# Altium PCB HV_DAC_8ch-DIOT.PCBDOC (part 7 of 11) (continued)
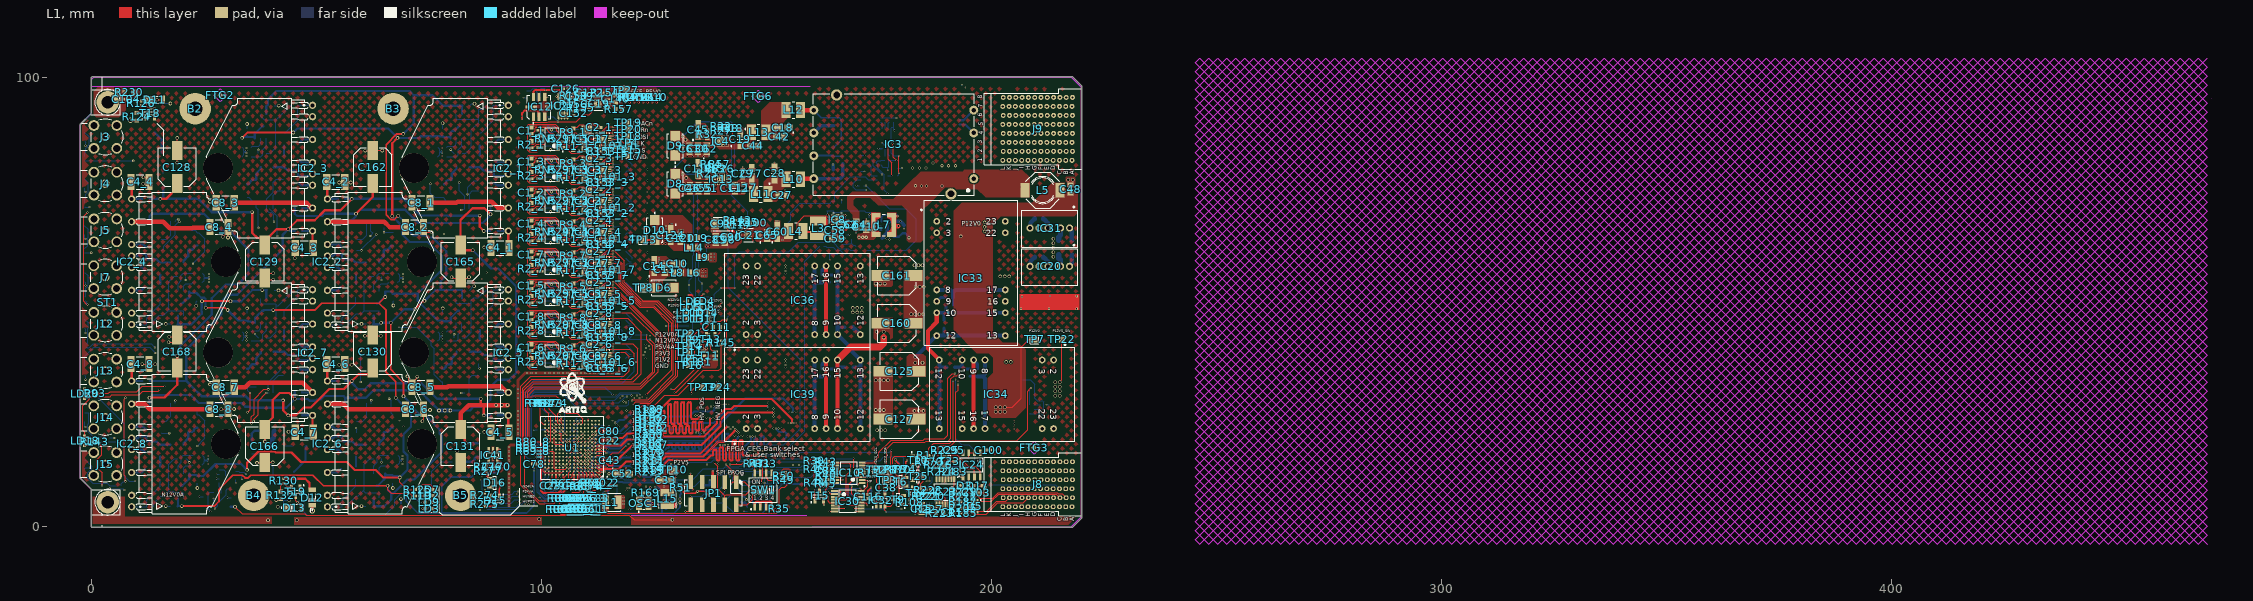
[diagram p0: L1 view]
## Nets (pads, with @x,y where several pads share a name; then routed paths per layer and width w, separated by ;. In a path a pad name is that pad's centre, name@x,y a point inside that pad or via, vN(x,y) a via of type N, cw(c..) or ccw(c..) an arc to the next point about the centre after c; other vN are vias at no path point) (continued)
  L8 w0.203: C142_6.1@110.667,35.361 111.019,35.713 111.062,35.713 111.205,35.857 111.205,36.515 111.408,36.718 v1(111.915,36.718) ; C142_8.1@110.667,42.248 111.019,42.6 111.062,42.6 111.205,42.743 111.205,43.402 111.408,43.605 v1(111.915,43.605) ; C142_5.1@110.667,49.134 111.019,49.486 111.062,49.486 111.205,49.63 111.205,50.288 111.408,50.492 v1(111.915,50.492) ; C142_7.1@110.667,56.021 111.019,56.373 111.062,56.373 111.205,56.516 111.205,57.175 111.408,57.378 v1(111.915,57.378) ; C142_4.1@110.667,62.908 111.019,63.26 111.062,63.26 111.205,63.403 111.205,64.062 111.408,64.265 v1(111.915,64.265) ; C142_2.1@110.667,69.794 111.019,70.146 111.062,70.146 111.205,70.289 111.205,70.948 111.408,71.151 v1(111.915,71.151) ; C142_3.1@110.667,76.681 111.019,77.033 111.062,77.033 111.205,77.176 111.205,77.835 111.408,78.038 v1(111.915,78.038) ; C142_1.1@110.667,83.567 111.019,83.919 111.062,83.919 111.205,84.063 111.205,84.721 111.408,84.925 v1(111.915,84.925) ; v5@113.029,38.547 113.063,38.581 113.063,39.033 114.32,40.289 C99_6.2@114.595,40.289 ; v5@113.029,45.434 113.063,45.468 113.063,45.919 114.32,47.176 C99_8.2@114.595,47.176 ; v5@113.029,52.32 113.063,52.355 113.063,52.806 114.32,54.063 C99_5.2@114.595,54.063 ; v5@113.029,59.207 113.063,59.241 113.063,59.692 114.32,60.949 C99_7.2@114.595,60.949 ; v5@113.029,66.094 113.063,66.128 113.063,66.579 114.32,67.836 C99_4.2@114.595,67.836 ; v5@113.029,72.98 113.063,73.014 113.063,73.466 114.32,74.722 C99_2.2@114.595,74.722 ; v5@113.029,79.867 113.063,79.901 113.063,80.352 114.32,81.609 C99_3.2@114.595,81.609 ; v5@113.029,86.753 113.063,86.788 113.063,87.239 114.32,88.495 C99_1.2@114.595,88.495
  L8 w0.254: T17.2@16.28,94.15 v2(17.5,94.15) ; v2(16.48,4.65) 17.399,4.65 C5_8.2@17.458,4.591 ; v2(16.48,45.15) 17.399,45.15 C5_4.2@17.458,45.091 ; R113_8.1@20.925,15.17 20.975,15.17 21.675,14.47 v3(21.675,14.37) ; v3(20.925,54.9) R113_4.1@20.925,55.67 ; v2(23.255,49.195) 23.255,50.049 C7_4.2@23.465,50.26 ; C7_8.2@23.465,9.76 23.5,9.725 v2(23.5,8.66) ; T2.2@27.1,5.8 v1(27.1,6.4) ; v1(30.25,6.55) T16.2@31.05,6.55 ; v1(32.05,9.85) T5.2@32.05,10.45 ; C7_7.2@34.535,47.486 v2(34.535,48.586) ; C7_3.2@34.535,88.486 v2(34.535,89.576) ; v3(36.325,42.876) 36.325,42.776 37.025,42.076 R113_7.1@37.075,42.076 ; R113_3.1@37.075,83.076 v3(37.075,83.846) ; C5_7.2@40.542,52.655 40.601,52.596 v2(41.52,52.596) ; C5_3.2@40.542,93.655 40.558,93.671 v2(41.6,93.671) ; v2(41.35,4.5) 41.377,4.526 42.283,4.526 42.72,4.963 T20.2@42.72,5.85 42.81,5.94 v2(43.912,5.94) ; v2(59.98,4.65) 60.899,4.65 C5_6.2@60.958,4.591 ; v2(59.98,45.15) 60.899,45.15 C5_2.2@60.958,45.091 ; v3(64.425,14.397) R113_6.1@64.425,15.17 ; v3(64.425,54.9) R113_2.1@64.425,55.67 ; v2(66.965,8.66) C7_6.2@66.965,9.76 ; C7_2.2@66.965,50.26 67.076,50.149 v2(67.076,49.229) ; v2(78,89.75) 78,88.521 C7_1.2@78.035,88.486 ; C7_5.2@78.035,47.486 v2(78.035,48.586) ; v3(79.825,83.876) 79.825,83.776 80.525,83.076 R113_1.1@80.575,83.076 ; R113_5.1@80.575,42.076 v3(80.575,42.846) ; C5_5.2@84.042,52.655 84.042,52.68 84.858,53.496 v2(85,53.496) ; C5_1.2@84.042,93.655 84.44,94.053 85.061,94.053 v2(85.1,94.092) ; v1(96,95.4) C94.1@96.7,95.4 ; v1(100.7,24.4) 100.7,24 100.75,23.95 C115.1@100.75,23.4 ; v3(103.275,37.049) 103.962,37.049 104.901,37.988 R67_6.1@104.901,38.039 ; v3(103.275,43.935) 103.962,43.935 104.901,44.874 R67_8.1@104.901,44.926 ; v3(103.275,50.822) 103.962,50.822 104.901,51.761 R67_5.1@104.901,51.812 ; v3(103.275,57.708) 103.962,57.708 104.901,58.647 R67_7.1@104.901,58.699 ; v3(103.275,64.595) 103.962,64.595 104.901,65.534 R67_4.1@104.901,65.586 ; v3(103.275,71.482) 103.962,71.482 104.901,72.421 R67_2.1@104.901,72.472 ; v3(103.275,78.368) 103.962,78.368 104.901,79.307 R67_3.1@104.901,79.359 ; v3(103.275,85.255) 103.962,85.255 104.901,86.194 R67_1.1@104.901,86.245 ; C54.1@103.3,24.55 103.483,24.367 103.747,24.367 103.991,24.124 v1(104.03,24.124) ; v1(105.561,40.605) 105.601,40.605 105.662,40.544 106.232,40.544 C98_6.2@106.73,40.046 ; v1(105.561,47.491) 105.601,47.491 105.662,47.43 106.232,47.43 C98_8.2@106.73,46.932 ; v1(105.561,54.378) 105.601,54.378 105.662,54.317 106.232,54.317 C98_5.2@106.73,53.819 ; v1(105.561,61.264) 105.601,61.264 105.662,61.204 106.232,61.204 C98_7.2@106.73,60.706 ; v1(105.561,68.151) 105.601,68.151 105.662,68.09 106.232,68.09 C98_4.2@106.73,67.592 ; v1(105.561,75.038) 105.601,75.038 105.662,74.977 106.232,74.977 C98_2.2@106.73,74.479 ; v1(105.561,81.924) 105.601,81.924 105.662,81.863 106.232,81.863 C98_3.2@106.73,81.365 ; v1(105.561,88.811) 105.601,88.811 105.662,88.75 106.232,88.75 C98_1.2@106.73,88.252 ; v1(106.155,37.158) 106.155,37.197 106.232,37.274 106.232,38.177 C106_6.1@106.349,38.293 ; v1(106.155,44.044) 106.155,44.084 106.232,44.161 106.232,45.064 C106_8.1@106.349,45.18 ; v1(106.155,50.931) 106.155,50.97 106.232,51.047 106.232,51.95 C106_5.1@106.349,52.066 ; v1(106.155,57.817) 106.155,57.857 106.232,57.934 106.232,58.837 C106_7.1@106.349,58.953 ; v1(106.155,64.704) 106.155,64.743 106.232,64.821 106.232,65.723 C106_4.1@106.349,65.84 ; v1(106.155,71.591) 106.155,71.63 106.232,71.707 106.232,72.61 C106_2.1@106.349,72.726 ; v1(106.155,78.477) 106.155,78.517 106.232,78.594 106.232,79.497 C106_3.1@106.349,79.613 ; v1(106.155,85.364) 106.155,85.403 106.232,85.48 106.232,86.383 C106_1.1@106.349,86.499 ; C97_6.1@106.247,35.982 106.272,35.956 C92_6.1@107.619,35.956 107.955,36.292 108.034,36.292 108.183,36.441 108.183,36.701 108.302,36.821 108.302,37.279 v1@108.329,37.306 ; C97_8.1@106.247,42.868 106.272,42.843 C92_8.1@107.619,42.843 107.955,43.179 108.034,43.179 108.183,43.328 108.183,43.588 108.302,43.707 108.302,44.165 v1@108.329,44.192 ; C97_5.1@106.247,49.755 106.272,49.73 C92_5.1@107.619,49.73 107.955,50.066 108.034,50.066 108.183,50.214 108.183,50.475 108.302,50.594 108.302,51.052 v1@108.329,51.079 ; C97_7.1@106.247,56.642 106.272,56.616 C92_7.1@107.619,56.616 107.955,56.952 108.034,56.952 108.183,57.101 108.183,57.361 108.302,57.48 108.302,57.939 v1@108.329,57.965 ; C97_4.1@106.247,63.528 106.272,63.503 C92_4.1@107.619,63.503 107.955,63.839 108.034,63.839 108.183,63.988 108.183,64.248 108.302,64.367 108.302,64.825 v1@108.329,64.852 ; C97_2.1@106.247,70.415 106.272,70.389 C92_2.1@107.619,70.389 107.955,70.725 108.034,70.725 108.183,70.874 108.183,71.134 108.302,71.254 108.302,71.712 v1@108.329,71.739 ; C97_3.1@106.247,77.301 106.272,77.276 C92_3.1@107.619,77.276 107.955,77.612 108.034,77.612 108.183,77.761 108.183,78.021 108.302,78.14 108.302,78.598 v1@108.329,78.625 ; C97_1.1@106.247,84.188 106.272,84.163 C92_1.1@107.619,84.163 107.955,84.499 108.034,84.499 108.183,84.647 108.183,84.908 108.302,85.027 108.302,85.485 v1@108.329,85.512 ; C98_6.2@107.415,40.503 107.415,40.347 107.503,40.26 C154_6.1@108.355,40.26 ; C98_8.2@107.415,47.39 107.415,47.234 107.503,47.147 C154_8.1@108.355,47.147 ; C98_5.2@107.415,54.276 107.415,54.12 107.503,54.033 C154_5.1@108.355,54.033 ; C98_7.2@107.415,61.163 107.415,61.007 107.503,60.92 C154_7.1@108.355,60.92 ; C98_4.2@107.415,68.049 107.415,67.894 107.503,67.806 C154_4.1@108.355,67.806 ; C98_2.2@107.415,74.936 107.415,74.78 107.503,74.693 C154_2.1@108.355,74.693 ; C98_3.2@107.415,81.823 107.415,81.667 107.503,81.58 C154_3.1@108.355,81.58 ; C98_1.2@107.415,88.709 107.415,88.553 107.503,88.466 C154_1.1@108.355,88.466 ; C92_6.1@107.593,35.906 C92_6.1@107.631,35.944 ; C92_8.1@107.593,42.792 C92_8.1@107.631,42.83 ; C92_5.1@107.593,49.679 C92_5.1@107.631,49.717 ; C92_7.1@107.593,56.565 C92_7.1@107.631,56.604 ; C92_4.1@107.593,63.452 C92_4.1@107.631,63.49 ; C92_2.1@107.593,70.339 C92_2.1@107.631,70.377 ; C92_3.1@107.593,77.225 C92_3.1@107.631,77.263 ; C92_1.1@107.593,84.112 C92_1.1@107.631,84.15 ; v1(110.184,38.852) 110.212,38.88 110.212,39.464 C143_6.1@110.311,39.563 ; v1(110.184,45.739) 110.212,45.767 110.212,46.351 C143_8.1@110.311,46.45 ; v1(110.184,52.625) 110.212,52.653 110.212,53.237 C143_5.1@110.311,53.336 ; v1(110.184,59.512) 110.212,59.54 110.212,60.124 C143_7.1@110.311,60.223 ; v1(110.184,66.398) 110.212,66.426 110.212,67.011 C143_4.1@110.311,67.11 ; v1(110.184,73.285) 110.212,73.313 110.212,73.897 C143_2.1@110.311,73.996 ; v1(110.184,80.172) 110.212,80.2 110.212,80.784 C143_3.1@110.311,80.883 ; v1(110.184,87.058) 110.212,87.086 110.212,87.67 C143_1.1@110.311,87.769 ; C138_6.2@112.978,35.931 113.025,35.978 113.025,36.029 113.025,37.23 v5(113.025,37.262) ; C138_8.2@112.978,42.818 113.025,42.865 113.025,42.916 113.025,44.116 v5(113.025,44.148) ; C138_5.2@112.978,49.704 113.025,49.752 113.025,49.802 113.025,51.003 v5(113.025,51.035) ; C138_7.2@112.978,56.591 113.025,56.638 113.025,56.689 113.025,57.89 v5(113.025,57.921) ; C138_4.2@112.978,63.477 113.025,63.525 113.025,63.576 113.025,64.776 v5(113.025,64.808) ; C138_2.2@112.978,70.364 113.025,70.411 113.025,70.462 113.025,71.663 v5(113.025,71.695) ; C138_3.2@112.978,77.251 113.025,77.298 113.025,77.349 113.025,78.549 v5(113.025,78.581) ; C138_1.2@112.978,84.137 113.025,84.185 113.025,84.235 113.025,85.436 v5(113.025,85.468) ; v1(119.5,4.5) 120.232,4.5 C73.2@120.391,4.341 ; v1(119.565,3.946) 119.996,3.946 C73.2@120.391,4.341 ; C73.2@120.5,4.45 C73.2@120.391,4.341 ; v1(121,36.7) 121.241,36.941 RN1_6.8@121.241,37.344 ; RN1_6.8@121.241,37.367 121.241,37.821 121.264,37.844 RN1_6.7@121.368,37.844 ; RN1_6.7@121.241,37.844 RN1_6.6@121.241,38.344 RN1_6.5@121.241,38.844 ; R77.1@138.83,47 138.83,47.83 139.15,48.15 T1.2@139.15,48.35 v1(139.75,48.35) ; v1(164.1,59.4) C113.1@164.1,60.6 165.7,60.6 T14.2@165.75,60.55 ; R28.1@167.803,64.982 v1(168.433,64.982) ; T4.2@171.011,79.063 171.758,79.063 v1(171.791,79.096) ; T3.2@171.011,82.638 v1(171.836,82.638) ; R104.1@172.896,68.781 172.908,68.793 172.908,69.428 v1(172.921,69.441) ; R90.1@175.44,90.955 178.787,90.955 178.853,90.889 v1(178.892,90.889) ; C121.1@175.771,64.216 175.833,64.153 v1(176.634,64.153) ; D1.1@179.236,79.763 179.261,79.788 v1(180.161,79.788) ; v1(180.594,66.278) 180.594,66.989 C123.1@180.696,67.091
  L8 w0.381: C74.1@102,7.85 102.119,7.97 102.495,7.97 102.7,8.175 103.044,8.175 v1(103.048,8.179) ; C76.1@110.183,17.618 110.196,17.604 v1@110.791,17.604 ; C67.1@113.25,22.4 113.369,22.52 113.777,22.52 113.81,22.552 v1(113.815,22.552) ; v1(174.925,84.094) IC7.4@175.76,84.094
  L8 w0.5: R231.2@68.75,5.2 v2(68.75,6.2) ; v1(101.194,20.035) 101.3,19.928 C55.1@101.3,19.15
  L8 w0.508: v1(116.119,18.726) 116.119,18.963 116.819,19.663 C72.1@116.819,19.838 ; C85.1@123.16,5.325 123.216,5.269 123.477,5.269 123.495,5.25 v1(124.706,5.25) ; R382.1@124.23,8.22 R382.1@124.25,8.22 v1(124.25,8.75) ; v1(125.247,8.763) 126.187,8.763 C258.2@126.2,8.75 126.2,8.575 127.25,7.525 v1(127.25,6) 127.5,6 ; C257.1@127.7,4 127.644,4.056 127.644,4.567 127.5,4.711 127.5,6 ; v1(127.75,6) 127.5,6 ; v1@127.861,6 IC18.2@128.55,6 ; IC18.2@128.8,6 v1(129.5,6) ; C17.1@135.7,8.915 136.03,9.246 IC6.4@137.389,9.246 v1(137.389,10.439) ; IC17.7@150.896,10.952 150.913,10.969 152.256,10.969 R60.2@152.273,10.986 v1(152.273,11.595) ; R8.1@192.913,90.404 193.82,90.404 IC3.3@196.088,92.672
  L8 w0.7: C144.1@191.84,35.5 C144.1@191.9,35.5 193.04,35.5 193.51,35.97 ; IC34.10@193.51,37.12 193.51,35.97 ; R137.1@195.2,35.1 194.1,35.1 193.51,35.69 193.51,35.97
  L8 w0.762: IC3.5@160.528,87.592 162.126,89.19 C40.1@164.98,89.19 ; C26.1@164.811,79.418 v1(164.811,80.568) ; C121.1@175.771,64.216 175.915,64.36 175.915,64.535 176.884,65.505 176.884,67.42 177.38,67.916 IC22.1@178.256,67.916 ; IC22.1@178.425,67.926 v1@179.816,67.926 ; v1@179.871,67.916 180.377,67.41 180.377,67.235 180.521,67.091 C123.1@180.696,67.091
  L8 w0.9: C153.2@169.27,44.4 169.27,44.225 169.345,44.15 169.52,44.15 170.88,42.79 IC36.12@170.88,42.78
  L8 w1: IC20.5@208.6,57.95 208.701,58.051 208.701,59.101 209.475,59.875 209.625,59.875 209.7,59.95 C9.1@209.7,60.1 ; C87.1@211.5,68.6 211.5,68.45 211.575,68.375 211.725,68.375 212.499,67.601 212.499,66.551 IC31.3@212.6,66.45 ; IC20.1@217.4,57.95 217.4,58.112 217.925,58.637 217.925,60.425 C84.1@218,60.5 ; IC31.1@217.4,66.45 217.4,66.288 217.925,65.763 217.925,63.775 C41.1@218,63.7
  other v1: 195.1,2.8 196.8,4.7 197.3,4.7 115.595,4.721 92.75,4.75 97.1,5 85.6,5.1 115.595,5.228 94.7,5.6 92.75,5.75 115.618,6.023 92.75,6.75 89.9,6.9 94.5,7.3 92.75,7.75 122.3,8.3 92.75,8.75 115.8,9 92.75,9.75 88.3,9.9 92.75,10.75 86.7,11.3 92.75,11.75 122.851,11.855 89.5,12.6 92.75,12.75 122.851,13.423 92.75,13.75 25.9,13.981 69.1,13.981 139.3,14.1 92.75,14.75 89.2,15 122.858,15.644 89.2,15.7 92.75,15.75 25.9,15.762 69.1,15.762 118.831,16.078 89.2,16.3 92.75,16.75 147.327,16.9 149.1,16.9 122.858,17.213 110.8,17.601 92.75,17.75 139.65,18.2 141.423,18.2 119.365,18.45 94.75,18.75 108.4,19.2 122.8,19.431 94.75,19.75 145.727,20.1 147.5,20.1 142.877,20.3 144.65,20.3 94.75,20.75 102.773,20.861 122.8,21 134.35,21 136.123,21 143.797,21.003 94.75,21.75 142.007,21.793 205.1,21.8 151.527,21.9 153.3,21.9 142.543,22.257 117.1,22.4 205.1,22.4 94.75,22.75 205.1,23 140.753,23.047 154.85,23.1 156.623,23.1 115.8,23.6 205.1,23.6 94.75,23.75 136.65,24.3 138.423,24.3 151.6,24.577 94.75,24.75 134.247,24.8 136.02,24.8 104.055,24.805 122.8,25.068 155.077,25.5 156.85,25.5 94.75,25.75 118.905,25.9 150.3,26.077 151.6,26.35 122.8,26.636 137.647,26.797 139.42,26.797 139.85,27.3 141.623,27.3 118.8,27.7 150.3,27.85 120.6,28.7 121.8,28.7 123.4,28.7 94.75,28.75 118,29.1 116.5,29.4 94.75,29.75 94.75,30.75 192.6,32.4 192.7,33.4 96.75,34.25 97.75,34.25 98.75,34.25 100.75,34.25 101.75,34.25 102.75,34.25 103.75,34.25 104.75,34.25 105.75,34.25 106.75,34.25 107.75,34.25 108.75,34.25 109.75,34.25 110.75,34.25 111.75,34.25 112.75,34.25 113.75,34.25 114.75,34.25 115.75,34.25 116.75,34.25 117.25,34.75 154.21,35.4 154.21,36 154.21,36.6 154.21,37.2 108.33,37.252 126.5,37.4 123.1,37.5 126.9,38.6 124.1,39.5 127.3,39.8 123.1,40.5 34.424,41.483 77.924,41.483 124.1,42.5 34.424,43.264 77.924,43.264 108.33,44.138 123.5,48 108.33,51.025 127.9,52.4 127.9,52.9 127.9,53.4 127.9,53.9 26.1,54.481 69.2,54.481 123.5,55 26.1,56.262 69.2,56.262 154.21,56.3 154.21,56.9 123.5,57.5 154.21,57.5 108.33,57.912 154.21,58.1 128.4,58.2 126.1,58.7 128.4,58.7 126.9,59.1 127.4,59.1 127.9,59.1 126.1,59.2 126.1,59.7 123.5,61 145.4,64.2 146,64.2 146.6,64.2 108.33,64.798 145.4,64.9 146,64.9 146.6,64.9 132.6,65.3 133.2,65.3 145.4,65.6 146,65.6 146.6,65.6 127.7,65.7 138,65.8 138.5,65.8 139,65.8 130.5,66 131,66 131.5,66 127.7,66.3 127.7,66.9 123.5,67 128.5,67.4 129,67.4 177.317,67.853 179.834,67.944 152.1,68 152.7,68 123.5,69.5 108.33,71.685 123.5,72 123.5,74.5 139.3,76.3 139.9,76.3 140.5,76.3 123.5,77 139.3,77.3 139.3,78.3 139.9,78.3 140.5,78.3 108.33,78.571 123.5,79.5 123.5,82 132.4,82.4 133.6,82.4 134.8,82.4 136,82.4 137.2,82.4 34.424,82.483 77.924,82.483 34.424,84.264 77.924,84.264 148.8,84.4 148.8,85.1 108.33,85.458 135.9,86.3 135.9,86.9 143.9,88.7 144.5,88.7 115.161,89.652 111.9,93.4 113.1,93.4 117.627,93.973 112.5,94.1 117.471,94.5 111.9,94.8 113.1,94.8 8.9,95.4 10.2,96 10.2,96.5 10.2,97
  other v2: 174.3,26 175.2,26 176.1,26 174.3,32.6 175.2,32.6 176.1,32.6 177,32.6 203.3,36.7 204.3,36.7 182.2,47.3 183.1,47.3 184,47.3 184.9,47.3 183.2,53.4 184.1,53.4 185,53.4 202,55.7 203,55.7 204,55.7 198.5,65.7 198.5,66.7 198.5,67.7 217.1,77.2 218.1,77.2
  other v4: 182.5,79.8 184,79.8 185.5,79.8 189,80.3 190.5,80.3 192,80.3 187,80.9
  other v5: 114.335,37.312 114.35,38.592 113.025,38.612 114.335,44.198 114.35,45.478 113.025,45.498 114.335,51.085 113.025,52.385 114.35,52.365 114.335,57.971 114.35,59.251 113.025,59.271 114.335,64.858 114.35,66.138 113.025,66.158 114.335,71.745 114.35,73.025 113.025,73.045 114.335,78.631 114.35,79.911 113.025,79.931 114.335,85.518 114.35,86.798 113.025,86.818
  other v6: 218.969,48.515 206.599,48.54 212.791,48.528 206.797,51.17 218.969,51.309 213.02,51.322
HV_NEG: C162.2 C165.2 C166.2 C168.2 L22.2 R114_1.2 R114_2.2 R114_3.2 R114_4.2 R114_5.2 R114_6.2 R114_7.2 R114_8.2 R128.1 R129.2 TP24.1 | length 434
  L1 w0.2: TP24.1@139.1,31.1 v1(139.1,32.3)
  L1 w0.5: v2(12.847,28.721) 12.904,28.778 16.178,28.778 19,31.6 C168.2@19,35.325 v2(19,38) ; v2(38.5,19) C166.2@38.5,21.675 38.5,22.6 40.257,24.357 40.257,28.232 41.807,29.782 43.896,29.782 v2(45.153,28.525) ; v2(58.75,69.614) 62.5,73.364 C162.2@62.5,76.325 ; v2(84.727,61.5) 82.925,61.5 82,62.425 C165.2@82,62.675 82,68.224 84.647,70.871 87.307,70.871 v2(88.653,69.525)
  L6 w1: v2(77.2,25.9) v2(78.472,25.9) v2(79.744,25.9) 80.9,25.9 87.7,32.7 97.072,32.7 97.172,32.8 119.3,32.8 120.9,34.4 132.6,34.4 134.6,32.4 170.2,32.4 172.9,35.1 175.4,35.1 179.5,39.2 179.5,54.8 v2(182.9,58.2) v2(183.8,58.2) v2(184.7,58.2)
  L8 w0.5: 32.509,53.92 34.86,56.271 34.86,58.762 ; 34.86,59.169 34.86,61.474 ; 35.208,26.668 35.394,26.482 43.233,26.482 45.153,28.401 v2(45.153,28.525) ; v2(38.5,19) 38.557,18.942 38.557,18.242 38.793,18.007 R129.2@40.117,18.007 ; 48.432,28.077 49.786,28.077 50.031,28.322 ; v2(79.744,25.9) 84.1,25.9 84.9,26.7 87.039,26.7 87.184,26.845 ; 87.33,26.991 88.156,27.817
  L8 w0.508: 18.091,29.336 19.095,29.336 ; 18.744,69.615 18.76,69.63 19.732,69.63 19.748,69.615 ; 30.85,65.718 31.647,64.921 ; 48.382,69.132 49.84,69.132 ; 51.66,29.114 53.118,29.114 ; 51.66,69.614 53.118,69.614 ; 67.567,70.552 69.672,70.552 ; 68.306,30.415 68.31,30.419 69.884,30.419 69.886,30.417 ; 85.562,67.567 86.935,67.567 88.505,69.137 88.505,69.298 v2@88.653,69.446 ; 93.336,33.21 94.365,34.239 94.365,40.775 ; 93.336,54.502 94.365,53.472 94.365,49.476 ; 94.365,44.396 94.365,45.855
  L8 w0.51: 75.768,27.356 75.769,27.356 77.2,25.925 v2(77.2,25.9) ; 87.184,26.845 87.33,26.991
  L8 w0.512: R114_8.2@12.847,27.327 v2(12.847,28.721) 12.925,28.721 13.54,29.336 18.091,29.336 ; R114_4.2@12.847,67.827 12.847,69.089 13.373,69.615 18.744,69.615 ; v2(19,38) 19,38.078 19.144,38.222 19.144,38.228 19.536,38.62 19.536,40.077 26.705,47.245 26.705,50.848 29.777,53.92 32.509,53.92 ; 19.095,29.336 22.019,29.336 23.776,27.579 33.289,27.579 34.162,26.706 35.162,26.706 35.199,26.668 35.208,26.668 ; 19.748,69.615 24.961,69.615 28.686,65.89 30.678,65.89 30.85,65.718 ; 31.647,64.921 34.86,61.708 34.86,61.474 ; v2(38.5,19) 38.578,19 v2@38.722,18.856 ; R114_7.2@45.153,29.919 v2(45.153,28.525) 45.208,28.47 45.42,28.47 45.433,28.457 48.052,28.457 48.432,28.077 ; R114_3.2@45.153,70.919 45.153,69.657 45.678,69.132 48.382,69.132 ; 49.84,69.132 51.178,69.132 51.66,69.614 ; 50.031,28.322 50.868,28.322 51.66,29.114 ; 53.118,29.114 55.954,29.114 56.347,28.721 ; 53.118,69.614 v2(58.75,69.614) ; R114_6.2@56.347,27.327 56.347,28.721 ; R114_2.2@56.347,67.827 56.447,67.927 57.559,67.927 58.684,69.052 58.684,69.47 58.75,69.536 v2(58.75,69.614) ; 67.567,70.552 59.688,70.552 v2(58.75,69.614) ; 68.306,30.415 62.674,30.415 60.98,28.721 56.347,28.721 ; 69.672,70.552 69.884,70.34 69.884,70.312 72.629,67.567 85.562,67.567 ; 69.886,30.417 72.707,30.417 75.768,27.356 ; v2(84.727,61.5) 88.787,57.44 90.398,57.44 93.336,54.502 ; 88.156,27.817 88.653,28.314 R114_5.2@88.653,29.919 88.653,31.181 90.182,32.71 92.836,32.71 93.336,33.21 ; v2@88.653,69.446 v2(88.653,69.525) R114_1.2@88.653,70.919 ; 94.365,40.775 94.365,44.396 ; 94.365,45.855 94.365,49.476
  L8 w1: R129.2@40.117,18.007 40.16,18.05 40.16,19.56 40.477,19.877 40.477,21.327 R128.1@40.55,21.4 ; v2(77.2,25.9) v2(78.472,25.9) v2(79.744,25.9)
HV_POS: C128.1 C129.1 C130.1 C131.1 L19.2 R16_1.2 R16_2.2 R16_3.2 R16_4.2 R16_5.2 R16_6.2 R16_7.2 R16_8.2 R120.2 R122.2 TP23.1 | length 363.1
  L1 w0.2: v1(133.4,29.7) 133.4,30.3 134.2,31.1 TP23.1@135.6,31.1
  L1 w0.512: v2(15.25,72.94) 16.54,72.94 19,75.4 C128.1@19,76.325 ; v2(35.662,70) 35.662,65.433 36.857,64.238 37.581,64.238 38.5,63.319 C129.1@38.5,62.675 ; C129.1@38.5,63.6 41.081,66.181 v2(43.679,66.181) 45.708,68.21 49.575,68.21 51.743,70.377 52.285,70.377 ; v2(42.55,28.132) 42.55,25.935 v2(43.679,24.806) 45.386,24.806 47.14,26.56 48.693,26.56 50.804,28.671 50.804,28.682 52.807,30.686 56.067,30.686 v2(57.821,32.44) 59.345,33.964 61.581,33.964 62.5,34.883 C130.1@62.5,35.325 ; 52.483,70.377 55.259,70.377 v2(57.821,72.94) ; C131.1@82,21.675 82.919,20.756 82.919,18.977 83.185,18.711 v2(83.185,18.633) ; v2(86.25,69.221) 86.25,66.735 v2(87.179,65.806) ; 86.5,27.092 v2(86.5,28.5) ; v2(87.179,24.806) 87.179,27.092
  L1 w1: C131.1@82,21.675 82,25.25 83.842,27.092 86.5,27.092 87.179,27.092 v2(89.9,27.092) v2(91.172,27.092) v2(92.444,27.092)
  L6 w1: v2(89.9,27.092) v2(91.172,27.092) v2(92.444,27.092) 92.502,27.15 95.25,27.15 96.2,28.1 96.2,29.3 97.7,30.8 123.1,30.8 124.4,32.1 131,32.1 v1(133.4,29.7) 166.4,29.7 v2(174.6,21.5) v2(175.5,21.5) v2(176.4,21.5)
  L8 w0.512: R16_8.2@12.847,32.44 21.048,32.44 ; R16_4.2@12.847,72.94 v2(15.25,72.94) 15.895,72.94 ; R120.2@15.882,75.582 15.882,72.953 15.895,72.94 ; v2(35.662,70) 26.72,70 25.738,70.982 25.732,70.982 25.587,71.127 25.584,71.127 23.771,72.94 15.895,72.94 ; 35.796,28.218 35.079,28.218 34.206,29.091 24.402,29.091 22.646,30.848 22.64,30.848 21.048,32.44 ; 35.87,28.144 42.538,28.144 v2(42.55,28.132) ; v2(43.679,24.806) R16_7.2@45.153,24.806 ; R16_3.2@45.153,65.806 44.112,65.806 43.737,66.181 v2(43.679,66.181) 42.498,65 42.498,61.736 32.378,51.616 30.344,51.616 30.29,51.562 30.288,51.562 29.494,50.767 29.494,50.765 28.808,50.08 28.808,47.233 28.103,46.527 28.103,46.505 21.048,39.45 21.048,32.44 ; R16_6.2@56.347,32.44 v2(57.821,32.44) 57.95,32.311 57.95,31.921 59.273,30.597 60.719,30.597 62.048,31.927 67.683,31.927 67.685,31.929 73.333,31.929 76.759,28.503 86.497,28.503 v2(86.5,28.5) ; R16_2.2@56.347,72.94 v2(57.821,72.94) 69.422,72.94 71.396,70.967 71.396,70.938 73.098,69.235 79.201,69.235 79.216,69.221 v2(86.25,69.221) ; v2(83.185,18.633) 85.717,18.633 R122.2@85.8,18.55 ; v2(87.179,24.806) R16_5.2@88.653,24.806 ; v2(87.179,65.806) R16_1.2@88.653,65.806
HW_REV0: R36.2 U1.R6 | length 18.8
  L1 w0.127: R36.2@98.71,27.01 97.99,27.01 97.7,27.3 97.7,28.9 98,29.2 103.2,29.2 104,28.4 104,26.8 105.5,25.3 107.943,25.3 109.209,24.033 109.209,23.21 U1.R6@108.8,22.8
HW_REV1: R53.2 U1.R16 | length 4.9
  L1 w0.127: R53.2@99.71,27.01 99.71,23.49 100.4,22.8 U1.R16@100.8,22.8
HW_REV2: R94.2 U1.T15 | length 3.9
  L1 w0.127: R94.2@100.71,27.01 100.71,26.09 101.608,25.192 101.608,23.608 U1.T15@101.6,23.6 U1.T15@101.702,23.702
HW_REV3: R173.2 U1.T13 | length 4
  L1 w0.127: R173.2@101.71,27.01 101.71,26.19 103.2,24.7 U1.T13@103.2,23.6
HW_REV4: R174.2 U1.D8 | length 28.4
  L1 w0.127: R174.2@102.71,27.01 103.49,27.01 v1(103.5,27) ; U1.D8@107.221,14 107.221,13.949 107.52,13.65 v1(107.52,13.619)
  L6 w0.1: v1(103.5,27) 101,27 100.2,26.2 100.2,16 98.8,14.6 98.8,13.2 99.6,12.4 106.4,12.4 106.8,12.8 106.8,13.438 106.981,13.619 v1(107.52,13.619)
I2C0_SCL: D1.3 IC7.2 IC10.8 IC15.6 IC25.1 IC30.2 IC32.1 R177.1 T6.3 TP2.1 | length 152.1
  L1 w0.127: v1(163.8,7.7) 164.135,7.365 IC30.2@165.147,7.365 IC30.2@165.197,7.315 ; IC10.8@171.289,14.329 173.961,14.329 ; IC32.1@174.549,4.538 IC32.1@174.435,4.652 174.435,5.435 174.5,5.5 v1(174.5,6) 175.062,6.562 v1(175.062,7.611) 175.062,9.438 174.562,9.938 TP2.1@174.562,12.713 ; v1(177.06,85.301) 177.06,81.74 177.836,80.964 v1(177.836,78.088) ; T6.3@178.728,10.072 178.028,10.072 177.7,10.4 177.7,11.426 177.493,11.633 175.642,11.633 TP2.1@174.562,12.713 ; v1(191.9,34.1) 191.3,34.1 190.3,33.1 190.3,20.4 189.5,19.6 185.2,19.6 184.9,19.3 177.7,19.3 175,16.6 175,15.661 173.961,14.622 173.961,14.329 ; 173.961,14.329 174.562,13.728 TP2.1@174.562,12.713
  L3 w0.127: v1(174.5,6) 174.5,3.5 176,2 187,2 187.9,2.9 v1@187.9,6.789 ; v1(177.836,78.088) 177.836,75.364 179.2,74 181.7,74 186.2,69.5 186.2,64.3 192,58.5 192,39.9 191.7,39.6 191.7,34.311 191.9,34.111 v1(191.9,34.1)
  L8 w0.127: v1(163.8,7.7) 168.3,7.7 170.636,5.364 IC15.6@173.471,5.364 173.946,5.364 174.448,5.866 174.448,5.948 v1(174.5,6) ; D1.3@176.936,78.063 176.961,78.088 v1(177.836,78.088) ; v1(177.06,85.301) IC7.2@177.06,84.094 177.06,82.771 177.089,82.743 177.089,82.723 177.315,82.496 R177.1@177.335,82.496 ; IC25.1@187.55,5.4 187.55,6.45 v1(187.9,6.8)
I2C0_SDA: D1.2 IC7.1 IC10.7 IC15.5 IC25.4 IC30.1 IC32.3 R175.1 T9.3 TP1.1 | length 137.1
  L1 w0.127: IC30.1@165.147,8.015 166.285,8.015 166.5,7.8 v1(166.5,7.3) ; IC10.7@171.289,13.679 171.326,13.716 v1(172.568,13.716) ; v1(176.6,3.4) 176.335,3.665 IC32.3@176.335,4.652 177.601,4.652 178.169,5.22 T9.3@178.169,6.059 178.169,8.014 179.502,9.347 179.502,10.417 178.597,11.321 178.164,11.321 TP1.1@176.746,12.739 v1(176.746,13.674) 176.746,17.346 178.2,18.8 185.2,18.8 185.5,19.1 190.4,19.1 191,19.7 191,32.9 191.7,33.6 192.348,33.6 192.538,33.79 192.59,33.79 v1(192.9,34.1) ; v1(179.456,78.656) v1(179.456,82.545)
  L3 w0.127: v1(179.456,78.656) 179.456,75.444 180.4,74.5 182,74.5 186.7,69.8 186.7,64.5 192.6,58.6 192.6,39.7 192.2,39.3 192.2,34.8 v1(192.9,34.1)
  L8 w0.127: v1(166.5,7.3) 168,7.3 171.206,4.094 IC15.5@173.471,4.094 175.906,4.094 v1(176.6,3.4) 184.9,3.4 185.6,4.1 IC25.4@185.6,5.4 ; v1(172.568,13.716) 175.984,13.716 176.026,13.674 v1(176.746,13.674) ; IC7.1@177.71,84.094 177.71,83.096 178.064,82.743 178.064,82.723 178.29,82.496 R175.1@178.31,82.496 179.407,82.496 v1(179.456,82.545) ; D1.2@179.236,78.063 179.456,78.282 v1(179.456,78.656)
LED_ERR: LD19.1 R30.1 | length 45.7
  L3 w0.1: v1(9.7,10.2) 10.27,10.77 v1(27.8,10.77)
  L8 w0.1: LD19.1@-1.6,30.581 -0.081,30.581 1.1,29.4 1.1,29.1 7.2,23 7.2,11.3 8.3,10.2 v1(9.7,10.2) ; v1(27.8,10.77) R30.1@28.4,10.77
LED_OVT: IC7.3 LD20.1 R89.1 | length 296.5
  L1 w0.127: LD20.1@-1.6,28.58 -1.6,28.63 -1.314,28.917 -1.264,28.917 -1.081,29.1 -1,29.1 -0.8,29.3 -0.4,29.3 -0.1,29 4.1,29 4.5,29.4 10.6,29.4 11.4,30.2 14.8,30.2 v1(15.1,30.5)
  L3 w0.127: v1@175.692,85.478 175.743,85.428 176.269,85.428 181.146,90.304 192.507,90.304 194.183,91.981 v1(194.183,97.714)
  L6 w0.1: v1(15.1,30.5) 15.1,70.5 16.5,71.9 16.5,74 15.7,74.8 15.7,97.9 17.1,99.3 193.5,99.3 194.183,98.617 v1(194.183,97.714)
  L8 w0.127: v1(175.717,85.428) 176.176,84.969 176.176,84.853 176.41,84.619 IC7.3@176.41,84.094 176.403,84.086 176.403,82.545 R89.1@176.354,82.496
LED_PDONE: R143.1 T2.3 | length 34.9
  L1 w0.127: R143.1@1.17,19 1.17,18.98 1.396,18.754 1.416,18.754 2.2,17.97 2.2,16.1 1.1,15 1.1,13.2 2.3,12 v1(2.3,9.2)
  L3 w0.1: 22.75,7.55 23.55,6.75 v1(23.9,6.75)
  L3 w0.127: v1(2.3,9.2) 2.552,9.452 3.749,9.452 4.5,8.7 21.6,8.7 22.75,7.55
  L8 w0.1: v1(23.9,6.75) T2.3@24.8,6.75